# KiCad board BadgeClassBase.kicad_pcb (continued)
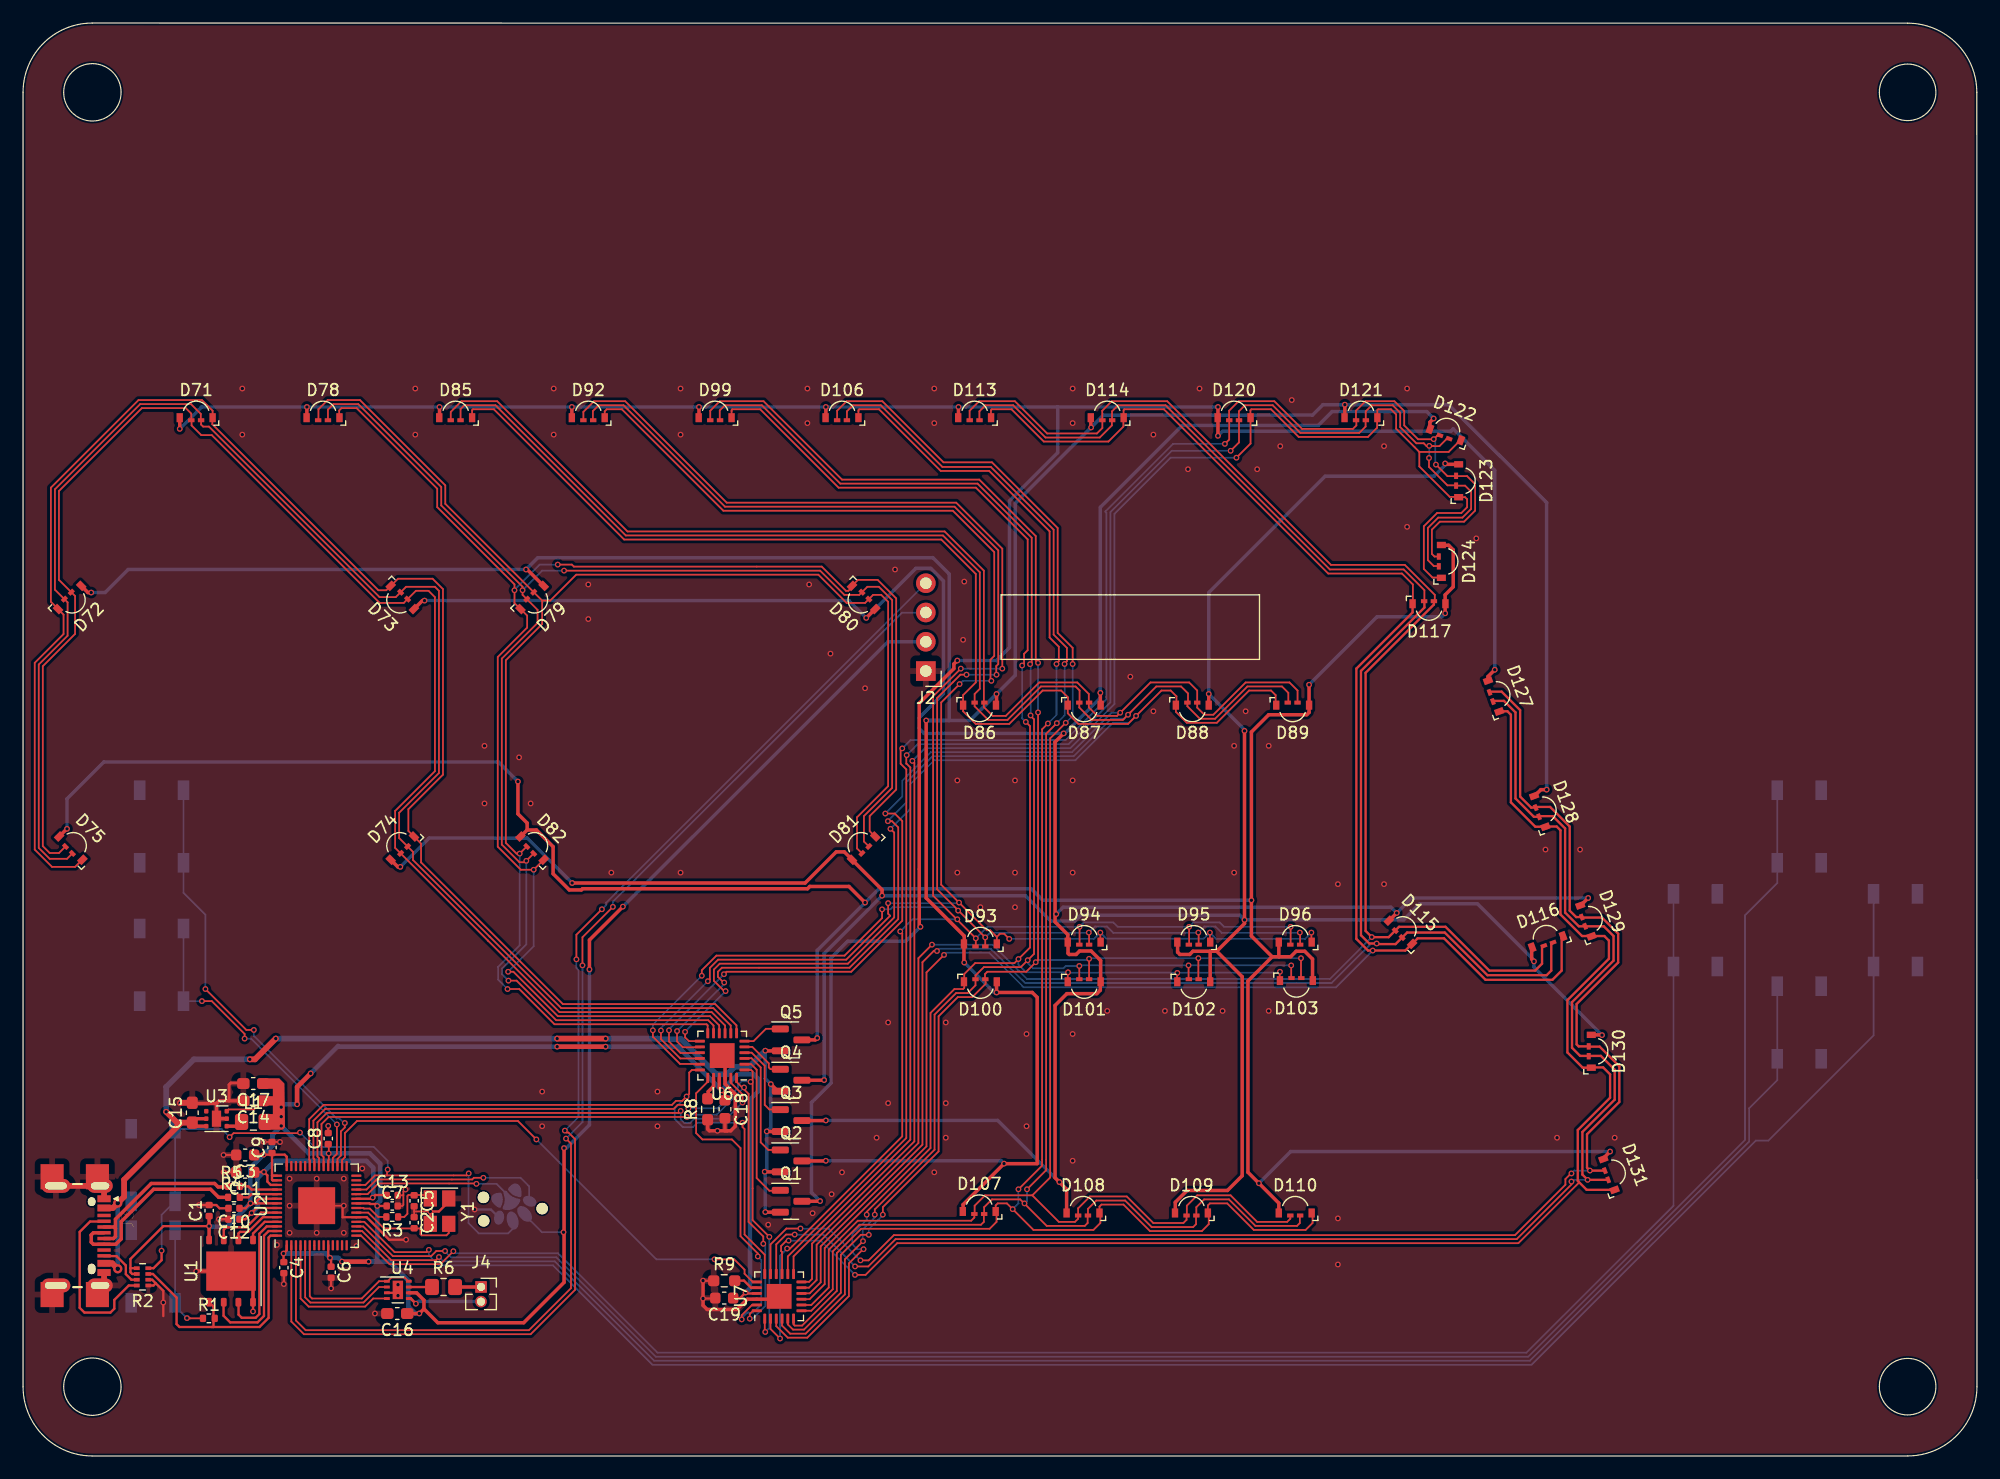
[diagram p0: board, top side]
## Routing (per net, layer and track width the routed paths; a pad name or vN(x,y) marks a point on that pad's centre or on a via; arc(x,y) is an arc through that point)
+1V1: length 26
  Top w0.2: 31.51,22.64 30.54,22.64 v1(30.32,22.41) 30.22,22.31 U2.23 ; U2.50 20.25,21.51 v1(19.82,21.08) 19.28,20.54 C12.1 ; U2.45 21.48,23.51 21.19,23.8 21.19,24.34 v1(20.89,24.64) 20.01,24.64
  Bottom w0.4: v1(19.82,21.08) 20.37,21.63 20.37,22.19 20.32,22.24 20.32,24.07 v1(20.89,24.64) 21.84,25.6 29.77,25.6 30.37,25.01 30.37,22.46 v1(30.32,22.41)
+3.3V: length 256
  Top w0.15: 26.51,26.34 26.51,27.04 ; 26.51,26.34 26.51,26.25 v1(26.5,26.25) ; 26.51,26.34 26.51,25.7 26.46,25.65 U2.33 ; C17.1 21.91,32.31 22.39,31.84 v1(22.39,30.26) v1(22.39,29.44) 22.39,29.33 22.04,28.98 ; 22.04,28.98 L1.2 ; 22.04,28.98 v1(22.39,28.64) ; 21.01,26.14 v1(20.86,26.14) ; 20.8,30.81 20.76,30.81 20.01,30.06 17.81,30.06 U3.6 ; 60.59,31.74 v1(60.57,31.72) ; 22.39,30.86 22.34,30.81 C14.1
  Top w0.2: v1(20.86,26.14) 20.26,26.14 ; R2.5 9.31,16.29 ; 9.31,16.29 9.31,17.09 12.16,19.94 v1(16.13,19.94) ; 9.31,16.29 9.31,15.94 9.46,15.79 R2.6 ; U2.44 21.64,23.91 21.59,23.97 21.59,24.34 ; 21.59,24.34 21.59,26.31 21.41,26.14 21.01,26.14 ; 21.59,24.34 21.61,24.31 U2.43 ; C19.1 62.17,13.7 v1(62.65,14.18) 62.73,14.1 U7.21 ; U2.1 22.86,17.84 v1(22.59,17.56) 22.59,16.76 22.61,16.74 ; 31.56,21.71 31.54,21.69 v1(30.71,21.69) 30.54,21.86 30.09,21.86 30.04,21.91 U2.22 ; U2.49 20.3,21.91 ; 20.3,21.91 20.3,22.15 20.46,22.31 U2.48 ; 20.3,21.91 19.72,21.91 v1(19.72,21.92) 19.29,21.49 18.79,21.49 ; C9.1 21.73,26.14 22.69,26.14 22.86,25.96 U2.42 ; U2.10 26.46,17.34 26.71,17.09 26.71,16.44
  Top w0.3: 34.76,12.76 v1(34.36,12.36) 34.36,12.36 C16.1 ; 34.76,12.76 35.96,11.56 43.41,11.56 46.91,15.06 46.91,19.36 v1(46.86,19.41) 46.91,19.46 v1(46.91,26.71) ; 34.76,12.76 34.76,13.51 34.12,14.16 U4.6 ; v1(52.01,47.66) 49.11,44.76 v1(49.11,42.21) ; U1.8 v1(16.13,19.94) 16.13,20.88 16.14,20.89 ; U6.21 60.37,31.95 60.86,31.46 60.86,30.81
  Top w0.4: v1(46.31,35.51) v1(50.51,35.51) ; v1(24.94,33.19) 23.76,32.01 v1(23.76,30.51) ; v1(29.96,16.86) v1(27.66,16.86)
  Bottom w0.15: v1(46.86,19.41) 45,19.41 43.47,20.94 J1.1
  Bottom w0.3: v1(46.91,26.71) 47.1,26.71 49.11,28.72 v1(49.11,42.21) ; v1(52.01,47.66) 74.99,70.64 J2.2
  Bottom w0.4: v1(62.65,14.18) 63.04,14.56 63.04,30.93 63.74,31.63 63.74,32.73 63.35,33.11 61.96,33.11 v1(60.57,31.72) 56.79,35.51 v1(50.51,35.51) ; v1(22.39,28.64) v1(22.39,30.26) 22.64,30.51 v1(23.76,30.51) ; v1(22.39,28.64) 24.77,26.25 v1(26.5,26.25) 30.07,26.25 30.97,25.36 30.97,22.14 30.71,21.89 v1(30.71,21.69) 30.71,16.91 30.66,16.86 v1(29.96,16.86) 31.76,16.86 33.41,15.21 33.41,12.94 33.99,12.36 v1(34.36,12.36) ; v1(22.39,28.64) 21.63,27.88 21.63,26.91 v1(20.86,26.14) 19.72,25 v1(19.72,21.92) 17.69,19.89 16.18,19.89 v1(16.13,19.94) ; v1(22.59,17.56) 26.24,17.56 v1(26.61,17.19) 27.33,17.19 v1(27.66,16.86) ; v1(46.31,35.51) 27.36,35.51 27.31,35.56 v1(24.94,33.19)
GND: length 82.4
  Top w0.15: C7.2 32.89,21.69 32.98,21.78 32.98,22.64 ; v1(35.31,21.21) 33.94,21.21 33.91,21.24 ; v1(33.16,23.11) 32.98,22.93 32.98,22.64 ; 32.98,22.64 32.95,22.61 C13.2 ; 33.91,21.24 C5.2 ; 33.91,21.24 C2.1 ; 25.41,21.74 25.44,21.71 v1(27.81,21.71) 27.71,21.71 ; v1(20.88,27.24) C9.2 22.03,27.24 v1(22.28,27.24)
  Top w0.2: R2.1 11.31,14.79 11.5,14.98 ; 35.34,21.21 36.06,21.21 36.91,22.06 Y1.4 ; 35.34,21.21 v1(35.31,21.21) ; 35.34,21.21 35.31,21.18 Y1.2 ; v1(19.94,12.54) U1.4 ; C12.2 v1(16.99,20.54) ; C6.2 v1(26.71,14.54) ; U4.3 32.31,14.16 32.46,14.31 32.46,14.36 ; 11.5,14.98 11.19,15.29 R2.2 ; 11.5,14.98 12.16,14.32 v1(12.16,13.31) 12.16,12.14 ; C11.2 v1(17.39,24.61) ; v1(33.21,18.76) 31.74,18.76 29.79,20.71 U2.19 27.71,20.71 27.71,21.71 ; C4.2 v1(22.61,14.91) ; R9.1 58.97,15.2 v1(58.96,15.21) ; C8.2 v1(26.46,28.64) ; C10.2 17.04,21.49 16.76,21.77 C1.2 15.27,21.77 v1(15.26,21.76) ; v1(58.96,13.66) 60.01,13.66 ; C3.2 v1(17.39,26.11)
  Top w0.25: 17.86,30.81 17.86,32.21 18.01,32.36 19.16,32.36 19.16,32.31 ; 7.02,15.15 6.71,14.84 6.71,14.74 ; 7.02,23.13 6.71,23.44
  Top w0.3: U1.4 19.94,14.98 18.91,16.01 ; 14.67,30.68 14.77,30.58 16.77,30.58 ; 16.77,30.58 17,30.81 18.94,30.81 19.07,30.68 ; 16.77,30.58 U3.7 ; R8.1 59.36,28.36 59.51,28.21 61.06,28.21 ; 60.61,34.86 60.87,34.6 U6.22 60.87,32.28 61.76,31.39 61.76,28.61 61.36,28.21 61.06,28.21 ; 60.86,29.26 60.86,28.21 61.06,28.21 ; v1(58.96,15.21) 58.96,13.06 59.31,12.71 61.91,12.71 62.8,13.6 U7.22 65.3,13.6 65.61,13.91 ; U1.9 15.04,16.04 v1(15.01,16.01) ; 16.77,29.28 16.79,29.26 U3.5
  Top w0.5: J3.A1 7.02,23.13 ; J3.S1 6.61,23.43 6.61,23.44 ; C15.2 13.64,30.64 v1(13.61,30.61) ; J3.B1 7.02,15.15 ; 6.77,14.79 6.81,14.84
  Bottom w0.2: v1(39.15,21.38) 40.56,21.38 J1.5
  vias: v1(19.01,92.61) v1(19.01,88.61) v1(22.01,18.31) v1(23.11,24.06) v1(23.11,21.71) v1(23.11,19.36) v1(25.46,24.06) v1(25.46,19.36) v1(27.81,24.06) v1(27.81,19.36) v1(28.91,18.21) v1(29.41,24.95) v1(30.51,12.36) v1(32.51,14.86) v1(32.51,13.91) v1(34.01,92.61) v1(34.01,88.61) v1(40.01,61.61) v1(40.01,56.61) v1(43.01,60.61) v1(44.01,56.61) v1(45.01,31.61) v1(45.01,28.61) v1(46.01,92.61) v1(46.01,88.61) v1(49.01,75.61) v1(49.01,72.61) v1(51.01,50.61) v1(55.01,31.61) v1(55.01,28.61) v1(57.01,92.61) v1(57.01,88.61) v1(57.01,50.61) v1(60.21,28.21) v1(64.61,20.06) v1(68.01,92.61) v1(68.01,89.61) v1(68.16,75.61) v1(68.46,21.06) v1(70.01,69.61) v1(70.11,22.71) v1(71.01,24.61) v1(73.01,66.61) v1(74.01,27.61) v1(75.01,37.61) v1(75.01,30.61) v1(75.61,76.91) v1(79.01,92.61) v1(79.01,89.61) v1(79.01,24.61) v1(80.01,37.61) v1(80.01,30.61) v1(80.01,27.61) v1(81.01,58.61) v1(81.01,50.61) v1(81.51,70.81) v1(81.61,75.86) v1(83.01,47.61) v1(86.01,58.61) v1(86.01,50.61) v1(86.01,47.61) v1(87.01,36.61) v1(87.01,28.61) v1(91.01,92.61) v1(91.01,89.61) v1(91.01,58.61) v1(91.01,50.61) v1(91.01,36.61) v1(91.01,25.61) v1(94.01,38.61) v1(96.01,67.61) v1(98.01,88.61) v1(98.01,64.61) v1(99.01,38.61) v1(101.01,85.61) v1(102.01,92.61) v1(104.01,38.61) v1(105.01,61.61) v1(105.01,50.61) v1(106.01,64.61) v1(107.01,85.61) v1(108.01,61.61) v1(108.01,38.61) v1(109.01,87.61) v1(110.01,91.61) v1(114.01,49.61) v1(114.01,20.61) v1(114.01,16.61) v1(118.01,87.61) v1(118.01,49.61) v1(120.01,92.61) v1(120.01,80.61) v1(126.01,79.61) v1(132.01,52.61) v1(133.01,27.61) v1(135.01,52.61) v1(138.01,27.61)
VBUS: length 101.6
  Top w0.3: Q5.2 64.37,35.15 v1(64.36,35.16) ; Q4.2 65.45,31.65 v1(64.84,32.26) ; Q1.2 64.37,21.15 v1(64.36,21.16) ; U3.2 15.05,29.26 14.67,28.88 ; U3.3 15.04,28.61 14.77,28.88 ; v1(64.49,28.16) 64.5,28.15 Q3.2 ; Q2.2 64.32,24.65 v1(64.31,24.66)
  Top w0.5: v1(19.66,34.41) 20.11,34.41 v1(21.91,36.21) ; J3.A4 7.79,21.51 v2(8.21,21.94) 8.76,22.49 8.76,23.96 13.72,28.92 ; v2(8.21,16.24) 7.74,16.71 J3.B4 ; v1(12.41,29.86) 13.35,28.92 13.72,28.92 ; v1(46.31,36.21) v1(50.51,36.21) ; 13.72,28.92 C15.1
  Bottom w0.3: v1(64.36,21.16) 64.36,24.61 v1(64.31,24.66) 64.49,24.84 v1(64.49,28.16) 64.84,28.51 v1(64.84,32.26) 64.36,32.74 v1(64.36,35.16)
  Bottom w0.4: v2(8.21,21.94) v2(8.21,16.24)
  Bottom w0.5: v1(50.51,36.21) 55.02,36.21 55.06,36.16 57.06,36.16 60.11,33.11 61.04,33.11 61.69,33.76 62.96,33.76 v1(64.36,35.16) ; v1(21.91,36.21) v1(46.31,36.21) ; v1(12.41,29.86) 12.41,32.01 14.81,34.41 v1(19.66,34.41)
/BOOTSEL: length 9.3
  Top w0.15: v1(14.21,11.96) 14.23,11.94 15.61,11.94
  Bottom w0.15: v1(14.21,11.96) 13.16,13.01 13.16,13.06 ; SW2.2 13.18,13.23 13.16,13.21
/CC1: length 15.7
  Top w0.2: 7.01,20.34 5.81,20.34 4.91,19.44 4.91,12.85 5.32,12.44 7.57,12.44 7.91,12.78 7.91,13.54 9.16,14.79 9.91,14.79
/CC2: length 4.1
  Top w0.2: R2.7 9.39,15.29 8.91,15.77 8.91,16.53 8.1,17.34 7.01,17.34
/DM: length 3.4
  Top w0.2: U2.46 19.81,23.11 19.54,23.39 18.79,23.39
/DP: length 3.4
  Top w0.2: U2.47 19.81,22.71 19.54,22.44 18.79,22.44
/QSPI_D0: length 3.1
  Top w0.2: U1.5 19.94,19.29 20.96,20.31 22.09,20.31
/QSPI_D1: length 13.4
  Top w0.2: 17.39,13.34 17.39,12.16 17.96,11.59 20.33,11.59 20.89,12.15 20.89,19.11 21.29,19.51 U2.55
/QSPI_D2: length 11.9
  Top w0.2: 18.69,13.34 18.69,12.26 18.96,11.99 20.17,11.99 20.49,12.31 20.49,19.28 21.13,19.91 U2.54
/QSPI_D3: length 6.1
  Top w0.2: U1.7 17.4,19.63 17.61,19.84 19.35,19.84 20.63,21.11 22.04,21.11
/QSPI_SCLK: length 4.6
  Top w0.2: U1.6 18.67,19.3 18.81,19.44 19.52,19.44 20.79,20.71 22.09,20.71
/RP2040_SWCLK: length 13.7
  Top w0.15: 28.86,22.69 28.89,22.71 29.87,22.71 30.8,23.64 39.28,23.64 v1(39.31,23.61)
  Bottom w0.15: v1(39.31,23.61) 41.06,23.61 J1.4
/RP2040_SWDIO: length 16.9
  Top w0.15: v1(39.91,24.14) 39.09,24.14 38.95,23.99 30.65,23.99 29.78,23.11 U2.25
  Bottom w0.15: v1(39.91,24.14) 43.14,24.14 43.88,23.4 43.88,22.16
/XIN: length 10
  Top w0.15: U2.20 29.92,21.11 31.3,19.74 34.41,19.74 34.46,19.69 34.46,19.24 34.56,19.14 36.71,19.14 36.91,19.34 Y1.3
/XOUT: length 2.9
  Top w0.15: U2.21 29.51,21.51 29.56,21.46 30.07,21.46 30.79,20.74 31.51,20.74
/~{QSPI_CS}: length 24.3
  Top w0.2: 16.31,11.19 16.51,11.19 16.51,12.96 16.14,13.34 ; U2.56 21.46,19.11 21.29,18.95 21.29,11.98 20.5,11.19 13.56,11.19 13.31,11.44 13.31,13.74 11.26,15.79 10.84,15.79
/~{RESET}: length 54.2
  Top w0.15: 31.56,24.34 31.56,24.79 v1(31.62,24.85) ; 31.56,24.34 38.47,24.34 v1(38.64,24.51) ; 31.56,24.34 30.51,24.34 29.68,23.51 28.84,23.51 ; v1(24.01,28.06) 23.96,28.01 18.26,28.01 v1(17.91,27.66)
  Top w0.2: 10.84,16.29 11.31,16.29 12.01,16.99 v1(12.01,17.81)
  Bottom w0.15: v1(24.01,28.06) 25.26,26.81 30.41,26.81 31.62,25.61 v1(31.62,24.85) ; v1(38.64,24.51) 38.63,24.5 38.63,20.2 39.51,19.31 42.06,19.31 42.45,19.7 42.45,20.43 ; v1(17.91,27.66) 17.21,28.36 13.18,28.36 SW1.2 12.01,20.92 v1(12.01,17.81)
B_DOWN: length 148
  Top w0.15: U2.16 29.4,19.51 31.92,16.99 35.79,16.99 v1(36.07,17.26)
  Bottom w0.15: v1(36.07,17.26) 36.44,16.89 46.1,16.89 54.72,8.26 130.65,8.26 149.66,27.27 149.66,30.16 152.11,32.61 SW4.1
B_ENTER: length 39.3
  Top w0.15: 27.26,25.16 27.26,25.77 27.56,26.07 27.56,28.16 27.9,28.5 v1(27.9,28.89) ; v1(15.81,40.51) 19.36,36.96 v1(20.01,36.96)
  Bottom w0.15: v1(15.81,40.51) 15.81,46.96 13.91,48.86 SW7.1 ; v1(27.9,28.89) 27.74,28.89 27.74,28.98 27.43,29.29 27.18,29.29 20.01,36.46 v1(20.01,36.96) ; 13.96,51.51 13.91,51.56 SW7.1
B_ESC: length 28
  Top w0.15: v1(27.21,28.76) 27.21,26.21 26.86,25.86 U2.32 ; v1(15.51,39.46) 16.37,39.46 19.21,36.62 v1(19.21,36.21)
  Bottom w0.15: v1(27.21,28.76) 19.76,36.21 v1(19.21,36.21) ; v1(15.51,39.46) SW8.1 SW8.1
B_LEFT: length 151.7
  Top w0.15: U2.15 29.3,19.11 31.78,16.64 36.19,16.64 v1(37.31,17.76)
  Bottom w0.15: v1(37.31,17.76) 37.49,17.59 46.39,17.59 55.01,8.96 130.36,8.96 143.11,21.71 SW6.1
B_RIGHT: length 161.3
  Top w0.15: U2.18 29.59,20.31 32.21,17.69 34.99,17.69 v1(35.19,17.88)
  Bottom w0.15: SW5.1 160.46,36.49 151.34,27.36 150.25,27.36 130.8,7.91 54.58,7.91 45.95,16.54 36.04,16.54 35.19,17.39 v1(35.19,17.88)
B_UP: length 164.8
  Top w0.15: v1(36.59,17.78) 35.83,17.78 35.39,17.34 32.07,17.34 29.49,19.91 28.91,19.91
  Bottom w0.15: SW3.1 152.11,49.71 149.31,46.91 149.31,27.42 130.51,8.61 54.87,8.61 46.24,17.24 37.09,17.24 36.59,17.74 v1(36.59,17.78)
D+: length 16.9
  Top w0.3: 7.01,19.36 6.1,19.36 5.91,19.18 5.91,18.55 6.1,18.36 J3.B6 8.04,18.36 8.51,18.83 8.51,20.33 11.32,23.14 16.26,23.14 16.96,22.44 17.74,22.44
D-: length 14.8
  Top w0.3: 8.01,19.74 8.01,19.04 7.84,18.86 J3.A7 ; 8.01,19.74 7.89,19.86 7.01,19.86 ; 8.01,19.74 8.01,20.54 11.11,23.64 16.61,23.64 16.91,23.34 17.84,23.34
DISP_SCK: length 105.2
  Top w0.15: v1(51.14,47.64) 48.51,45 v1(48.51,42.56) ; U2.3 23.66,11.76 24.51,10.91 43.87,10.91 47.51,14.56 47.51,27.1 v1(47.08,27.53)
  Bottom w0.15: v1(51.14,47.64) 51.14,48.09 76.22,73.16 78.36,73.16 ; v1(47.08,27.53) 48.51,28.97 48.51,42.56 v1(48.51,42.56) 48.51,42.57
DISP_SDA: length 108.1
  Top w0.15: v1(46.98,28.23) 47.15,28.06 47.29,28.06 47.86,27.49 47.86,14.41 44.01,10.56 24.36,10.56 23.26,11.66 U2.2 ; v1(47.98,43.08) 47.98,45.22 v1(50.19,47.43)
  Bottom w0.15: v1(50.19,47.43) 50.56,47.8 50.56,48 J2.4 ; v1(47.98,43.08) 47.98,42.35 48.16,42.17 48.16,29.41 v1(46.98,28.23)
LED_BLANK: length 63.5
  Top w0.15: U2.37 24.86,25.65 24.81,25.7 24.81,29.22 26.06,30.46 56.27,30.46 56.62,30.81 57.16,30.81 57.76,31.41 57.76,33.26 57.99,33.49 U6.18 ; 64.31,15.71 64.31,17.46 62.56,19.21 62.56,28.36 62.39,28.54 v1(62.39,28.91)
  Bottom w0.15: v1(62.39,28.91) 58.46,28.91 58.09,28.54 57.2,28.54 56.5,29.24 56.5,30.15 57.53,31.19 v1(57.54,31.19)
LED_CLK: length 65.5
  Top w0.15: v1(64.19,18.41) 64.19,19.04 62.91,20.32 62.91,31.41 61.87,32.45 U6.24 ; v1(57.56,29.41) 26.49,29.41 25.88,28.8 25.88,26.12 26.06,25.93 U2.34 ; 63.66,12.61 63.31,12.61 63.01,12.31 v1(63.01,11.91)
  Bottom w0.15: v1(64.19,18.41) 64.36,18.24 64.36,13.01 63.26,11.91 v1(63.01,11.91) ; v1(57.56,29.41) 57.76,29.61 60.16,29.61 v1(62.52,31.97)
LED_DATA: length 45.3
  Top w0.15: v1(57.02,29.94) 56.85,29.76 26.34,29.76 25.53,28.94 25.53,25.97 25.66,25.84 U2.35 ; U6.23 61.37,32.38 62.39,31.36 v1(62.39,30.66)
  Bottom w0.15: v1(57.02,29.94) 57.02,29.21 57.34,28.89 57.84,28.89 58.21,29.26 60.99,29.26 v1(62.39,30.66)
LED_DATA_RET: length 45.1
  Top w0.15: U7.19 63.27,15.1 62.56,15.81 62.56,16.16 61.66,17.06 v1(59.96,17.06) ; v1(44.51,27.46) 42.91,29.06 28.96,29.06 27.91,28.02 27.91,25.92 27.66,25.67 27.66,25.11
  Bottom w0.15: v1(59.96,17.06) 54.91,17.06 v1(44.51,27.46)
LED_LATCH: length 69
  Top w0.15: U7.1 64.31,10.8 v1(64.35,10.76) ; U2.36 25.26,25.74 25.18,25.83 25.18,29.09 26.2,30.11 56.41,30.11 56.76,30.46 57.38,30.46 v1(57.69,30.15) ; v1(64.71,19.01) 63.26,20.46 63.26,33.36 63.13,33.49 U6.1
  Bottom w0.15: v1(57.69,30.15) 60.21,30.15 62,31.94 62,32.19 62.3,32.5 63.05,32.5 v1(63.09,32.46) ; v1(64.35,10.76) 64.71,11.11 v1(64.71,19.01)
SPKR+: length 12.7
  Top w0.15: 31.56,13.66 30.36,13.66 29.66,12.96 24.77,12.96 24.06,13.67 U2.4
SPKR-: length 12.4
  Top w0.15: 24.46,18.31 24.46,13.76 24.91,13.31 29.52,13.31 30.86,14.66 U4.2
SPKR_EN: length 13.9
  Top w0.15: U2.6 24.86,13.86 25.06,13.66 29.37,13.66 30.87,15.16 31.51,15.16 ; 31.61,15.16 31.93,15.48 33.09,15.48 33.42,15.16 U4.8
Net-(C5-Pad1): length 4.6
  Top w0.15: 32.51,20.74 33.06,20.74 33.33,21 33.33,22.55 33.41,22.64 35.01,22.64 Y1.1
Net-(D71-BK): length 137.7
  Top w0.15: D72.3 4.51,74.61 4.51,71.32 1.71,68.52 1.71,52.91 2.31,52.31 3.11,52.31 3.71,52.91 ; 14.61,89.81 14.61,89.41 15.46,88.57 16.37,88.57 30.92,74.01 33.01,74.01 34.06,75.06 35.16,75.06 35.71,74.51 35.71,59.41 32.26,55.96 32.26,52.76 D74.3 40.31,44.71 40.31,44.71 46.52,38.51 59.71,38.51 60.87,37.35 U6.9 ; 4.21,74.91 3.11,76.01 3.11,83.72 10.3,90.91 14.11,90.91 14.59,90.44 D71.3
Net-(D71-GK): length 139.8
  Top w0.15: 61.36,36.66 61.36,37.35 59.86,38.86 46.66,38.86 40.46,45.06 33.81,51.7 33.81,52.41 D74.2 ; D71.2 15.44,89.49 15.61,89.31 16.12,89.31 30.92,74.51 32.31,74.51 33.21,75.41 35.71,75.41 36.06,75.06 36.06,59.26 32.61,55.81 32.61,53.61 33.31,52.91 ; D72.2 2.76,75.16 2.76,83.87 10.16,91.26 14.56,91.26 15.41,90.41 15.41,89.91 ; 3.61,74.31 3.86,74.06 3.86,71.17 1.36,68.67 1.36,52.76 2.31,51.81 3.81,51.81 D75.2
Net-(D71-RK): length 142.7
  Top w0.15: D73.1 31.5,75.11 30.81,75.11 16.41,89.51 16.41,90.11 ; D72.1 3.51,73 3.51,71.31 1.01,68.81 1.01,52.61 2.51,51.11 4.51,51.11 5.11,51.71 ; 61.91,36.61 61.86,36.66 61.86,37.36 60.02,39.21 46.81,39.21 34.51,51.5 34.51,51.5 34.51,53.13 D74.1 33.41,54.23 33.41,56.11 36.41,59.11 36.41,75.21 35.51,76.11 32.51,76.11 31.91,75.51 ; 3.01,73.51 2.41,74.11 2.41,84.01 10.01,91.61 15.51,91.61 16.44,90.69 D71.1
Net-(D78-BK): length 141.4
  Top w0.15: 45.01,74.21 45.71,74.21 47.96,76.46 68.96,76.46 71.41,74.01 73.01,74.01 D80.3 73.71,74.71 74.41,74.71 75.01,74.11 75.01,58.11 72.31,55.41 72.31,52.71 72.71,52.31 ; 45.01,74.21 44.31,74.91 ; 45.01,74.21 45.01,72.18 41.86,69.03 41.86,53.19 42.79,52.26 v1(43.06,52.26) D82.3 ; 25.61,89.91 25.61,90.81 26.41,91.61 29.21,91.61 36.61,84.21 36.61,82.61 D79.3 ; 59.36,36.61 59.36,37.36 59.27,37.46 46.08,37.46 43.03,40.51 v1(42.01,40.51)
  Bottom w0.15: v1(42.01,40.51) 41.19,41.34 41.19,42.43 43.06,44.3 v1(43.06,52.26)
Net-(D78-GK): length 142.1
  Top w0.15: v1(42.09,41.24) 42.79,41.24 46.23,37.81 59.41,37.81 59.87,37.35 U6.11 ; D80.2 72.51,74.71 71.21,74.71 69.11,76.81 v1(46.91,76.81) 46.81,76.71 ; 43.71,74.31 44.61,73.41 44.61,72.28 41.51,69.18 41.51,53.04 43.04,51.51 43.51,51.51 v1(43.64,51.63) D82.2 ; D78.2 26.44,90.79 26.91,91.26 29.07,91.26 36.26,84.06 36.26,82.47 43.31,75.42 v1(43.31,75.11) 43.31,74.71 D79.2 ; 72.71,74.91 73.21,75.41 74.21,75.41 75.36,74.26 75.36,57.97 72.91,55.52 72.91,53.31 D81.2
  Bottom w0.15: v1(43.31,75.11) 45.01,76.81 v1(46.91,76.81) ; v1(43.64,51.63) 43.64,44.39 41.54,42.29 41.54,41.79 v1(42.09,41.24)
Net-(D78-RK): length 141.3
  Top w0.15: 43.11,73.51 43.71,72.91 43.71,71.87 41.16,69.32 41.16,52.86 43.16,50.86 v1(44.28,50.86) D82.1 ; 73.91,53.71 73.41,54.21 73.41,55.52 75.71,57.82 75.71,74.4 74.1,76.01 72.4,76.01 D80.1 71.88,75.38 71.56,75.06 71.36,75.06 69.26,77.16 47.76,77.16 47.59,77.34 v1(46.36,77.34) ; D79.1 42.61,74 v1(42.61,75.11) 42.61,75.62 35.91,82.32 35.91,83.92 28.92,90.91 27.61,90.91 27.41,90.71 27.41,90.11 ; 60.36,36.61 60.36,37.36 59.57,38.16 46.37,38.16 42.52,42.01 v1(42.06,42.01)
  Bottom w0.15: v1(44.28,50.86) 44.28,44.23 v1(42.06,42.01) ; v1(46.36,77.34) 44.79,77.34 42.61,75.15 v1(42.61,75.11)
Net-(D85-BK): length 165.1
  Top w0.15: v1(56.01,36.93) 56.01,35.96 57.01,34.96 58.71,34.96 ; D85.3 37.09,90.59 38.01,91.51 41.11,91.51 52.41,80.21 79.91,80.21 83.31,76.81 83.31,64.98 84.08,64.21 85.21,64.21 88.11,67.11 91.41,67.11 92.41,66.11 92.41,64.95 93.15,64.21 94.86,64.21 v1(95.14,64.49) 97.76,67.11 101.11,67.11 101.81,66.41 101.81,64.93 102.43,64.31 103.21,64.31 106.01,67.11 109.81,67.11 110.51,66.41 110.51,65.31 ; v1(60.78,41.8) 60.99,42.01 71.81,42.01 76.24,46.44 76.24,55.09 75.58,55.74 v1(74.77,55.74)
  Bottom w0.15: v1(56.01,36.93) 56.01,37.03 v1(60.78,41.8) ; v1(74.77,55.74) 76.24,57.21 76.24,58.59 78.71,61.06 90.96,61.06 94.38,64.49 v1(95.14,64.49)
Net-(D85-GK): length 163
  Top w0.15: D85.2 37.94,90.84 38.26,91.16 40.97,91.16 52.27,79.86 79.77,79.86 82.96,76.67 82.96,66.56 82.51,66.11 82.51,65.31 ; 100.91,65.41 101.01,65.51 101.01,66.16 100.41,66.76 98.26,66.76 96.01,64.51 ; v1(74.99,55.07) 75.35,55.07 75.89,54.54 75.89,46.58 71.67,42.36 60.6,42.36 60.25,42.01 60.25,41.57 60.75,41.07 v1(60.8,41.07) ; v1(56.71,36.86) 56.71,35.96 57.21,35.46 58.76,35.46 ; D87.2 91.59,64.94 92.66,63.86 95.36,63.86 96.01,64.51 ; 91.61,65.41 91.61,66.42 91.27,66.76 88.26,66.76 85.36,63.86 83.69,63.86 82.51,65.04 D86.2 ; 109.71,65.41 109.71,66.21 109.16,66.76 106.16,66.76 103.36,63.96 102.04,63.96 100.96,65.04 D88.2 ; 96.01,64.51 95.81,64.31 v1(95.81,64.31)
  Bottom w0.15: v1(95.81,64.31) 95.46,63.96 94.36,63.96 94.36,63.97 91.1,60.71 78.86,60.71 76.59,58.44 76.59,56.69 74.99,55.1 v1(74.99,55.07) ; v1(56.71,36.86) 60.8,40.95 v1(60.8,41.07)
Net-(D85-RK): length 160.1
  Top w0.15: v1(57.4,36.8) 57.4,36.32 57.73,35.99 U6.13 ; 108.61,65.11 108.61,66.01 108.21,66.41 106.31,66.41 103.51,63.61 100.91,63.61 99.96,64.56 D88.1 ; 90.61,65.11 90.61,65.81 90.01,66.41 88.41,66.41 85.51,63.51 82.61,63.51 81.51,64.61 81.51,66.01 82.61,67.11 82.61,76.52 79.62,79.51 52.12,79.51 40.82,90.81 39.01,90.81 38.94,90.74 D85.1 ; 100.01,65.11 100.01,65.91 99.51,66.41 98.71,66.41 95.81,63.51 91.51,63.51 90.59,64.44 D87.1 ; v1(75.21,54.41) 75.54,54.09 75.54,46.73 71.52,42.71 60.41,42.71 59.9,42.2 59.9,41.23 60.8,40.33 v1(60.92,40.33)
  Bottom w0.15: v1(96.51,64.21) 95.91,63.61 94.5,63.61 91.25,60.36 79,60.36 76.94,58.3 76.94,56.14 v1(75.21,54.41) ; v1(57.4,36.8) 57.4,36.82 v1(60.92,40.33)
Net-(D92-BK): length 163.6
  Top w0.15: 80.99,46.54 v1(81.01,46.56) ; 80.99,46.54 78.91,48.61 78.91,65.91 v1(81.31,68.31) ; 80.99,46.54 v1(82.61,44.91) 82.61,44.21 ; v1(76.06,45.51) 76.24,45.34 76.24,27.73 66.5,17.99 v1(66.25,17.99) ; D92.3 48.59,90.59 49.51,91.51 52.21,91.51 61.01,82.71 80.91,82.71 84.91,78.71 v1(84.91,68.31) ; v1(65.64,10.19) 64.81,11.02 U7.2 ; v1(101.11,45.91) 101.11,44.41 ; v1(91.61,45.91) 91.61,44.41 ; v1(109.91,45.91) 109.91,44.41
  Bottom w0.15: v1(66.25,17.99) 65.64,17.38 v1(65.64,10.19) ; v1(82.61,44.91) 83.61,45.91 v1(91.61,45.91) 91.99,46.29 94.54,46.29 94.91,45.91 v1(101.11,45.91) 101.49,46.29 103.76,46.29 104.14,45.91 v1(109.91,45.91) ; v1(76.06,45.51) 77.11,46.56 v1(81.01,46.56) ; v1(84.91,68.31) v1(81.31,68.31)
Net-(D92-GK): length 150.8
  Top w0.15: v1(81.08,47.31) 81.08,47.33 81.09,47.34 ; 110.74,44.36 110.74,45.39 v1(110.71,45.41) ; v1(101.91,45.41) 101.94,45.39 D95.2 ; v1(54.61,36.93) 54.61,36.37 56.97,34.01 58.76,34.01 ; v1(81.81,67.79) 81.28,67.79 79.26,65.77 79.26,49.16 81.09,47.34 ; v1(92.41,45.41) 92.44,45.39 D94.2 ; v1(84.41,67.79) 84.39,67.81 84.39,68.53 84.56,68.7 84.56,78.57 80.77,82.36 60.87,82.36 52.07,91.16 49.91,91.16 49.41,90.66 49.41,89.91 ; v1(74.49,47.42) 74.49,46.67 71.23,43.41 60.12,43.41 58.85,42.14 v1(58.85,41.66) ; 81.09,47.34 v1(83.43,44.99) 83.43,44.23 83.41,44.21
  Bottom w0.15: v1(83.43,44.99) 83.83,45.39 92.39,45.39 v1(92.41,45.41) 92.94,45.94 93.99,45.94 94.54,45.39 101.89,45.39 v1(101.91,45.41) 102.44,45.94 103.39,45.94 103.94,45.39 110.69,45.39 v1(110.71,45.41) ; v1(81.81,67.79) v1(84.41,67.79) ; v1(58.85,41.66) 54.61,37.42 v1(54.61,36.93) ; v1(74.49,47.42) 75.22,47.42 75.4,47.61 80.79,47.61 v1(81.08,47.31)
Net-(D92-RK): length 147.1
  Top w0.15: v1(81.2,66.97) 79.61,65.37 79.61,49.56 83.56,45.61 83.86,45.61 84.44,45.04 ; v1(75.01,47.96) 75.01,47.05 75.19,46.87 71.38,43.06 60.27,43.06 59.55,42.35 59.55,41.36 v1(59.38,41.19) ; U6.16 56.99,34.49 55.31,36.17 v1(55.31,36.91) ; D93.1 84.44,45.04 ; 84.44,45.04 84.71,45.31 85.06,45.31 v1(85.51,44.86) ; D92.1 50.44,90.64 50.61,90.81 51.92,90.81 60.72,82.01 80.62,82.01 84.21,78.42 84.21,69.41 83.89,69.09 83.89,67.32 v1(83.96,67.25) ; v1(102.91,45.41) 102.91,44.61 ; v1(93.41,45.41) 93.41,44.61 ; v1(111.71,45.41) 111.71,44.61
  Bottom w0.15: v1(83.96,67.25) 81.49,67.25 v1(81.2,66.97) ; v1(55.31,36.91) 55.31,37.12 v1(59.38,41.19) ; v1(75.01,47.96) 81.11,47.96 v1(81.16,48.01) ; v1(111.71,45.41) 111.16,44.86 103.46,44.86 v1(102.91,45.41) 102.39,44.89 93.94,44.89 v1(93.41,45.41) 92.86,44.86 v1(85.51,44.86)
Net-(D100-A): length 272.4
  Top w0.3: v1(92.61,89.24) 92.59,89.26 D114.4 ; 81.51,21.11 81.51,21.81 v1(85.06,25.36) 87.94,25.36 87.94,39.79 87.51,40.21 v1(84.41,40.21) 84.41,41.11 ; v1(5.91,74.91) 5.63,74.91 D72.4 ; v1(114.61,91.21) 114.61,90.01 ; Q2.3 69.6,25.6 v1(69.61,25.61) ; v1(84.41,66.11) 84.41,65.11 ; 45.11,75.51 43.71,76.91 v1(43.61,76.91) ; 131.01,57.21 131.61,57.81 v1(132.11,57.81) ; v1(78.31,63.81) 78.31,48.41 81.61,45.11 81.61,44.41 ; v1(81.61,42.81) 81.59,42.84 D93.4
  Bottom w0.3: v1(69.61,25.61) 84.81,25.61 v1(85.06,25.36) ; v1(81.61,42.81) 84.21,40.21 v1(84.41,40.21) ; v1(5.91,74.91) 7.11,74.91 9.11,76.91 v1(43.61,76.91) 44.64,77.94 78.89,77.94 80.31,76.51 80.31,63.81 v1(78.31,63.81) 82.11,63.81 v1(84.41,66.11) 86.03,67.73 86.03,82.65 v1(92.61,89.24) 93.69,90.31 111.81,90.31 112.71,91.21 v1(114.61,91.21) 123.61,91.21 132.11,82.71 v1(132.11,57.81)
Net-(D100-BK): length 145.4
  Top w0.15: v1(110.81,43.19) 110.81,41.41 ; v1(92.44,43.14) D101.3 ; v1(73.34,19.19) 72.64,19.19 70.91,17.46 70.91,14.16 67.71,10.96 66.77,10.96 66.31,11.42 U7.5 ; v1(88.01,64.51) 88.01,43.04 v1(87.81,42.84) 86.99,42.01 83.61,42.01 83.41,41.81 83.41,41.41 ; 83.46,41.31 83.46,40.96 82.31,39.81 81.05,39.81 79.39,38.15 79.39,26.43 74.55,21.59 v1(74.55,20.94) ; v1(101.91,43.19) 101.91,41.31 ; v1(88.01,68.81) 87.81,69.01 87.81,79.81 82.91,84.71 71.01,84.71 64.21,91.51 60.41,91.51 59.59,90.69 D99.3
  Bottom w0.15: v1(74.55,20.94) 74.38,20.76 74.38,20.72 73.34,19.68 v1(73.34,19.19) ; 110.71,43.09 v1(110.81,43.19) 92.49,43.19 v1(92.44,43.14) 92.34,43.04 88.01,43.04 v1(87.81,42.84) ; v1(88.01,68.81) v1(88.01,64.51)
Net-(D100-GK): length 142.7
  Top w0.15: v1(109.96,42.56) 109.96,41.41 ; v1(87.32,68.7) 87.46,68.84 87.46,79.67 82.77,84.36 70.86,84.36 64.06,91.16 60.86,91.16 60.41,90.72 60.41,89.91 ; v1(73.85,20.94) 73.85,21.39 79.04,26.57 79.04,38.29 80.91,40.16 81.91,40.16 82.59,40.84 D100.2 82.59,41.69 83.31,42.41 86.51,42.41 v1(87.11,43.01) 87.66,43.56 87.66,63.91 87.36,64.21 v1(87.36,64.25) ; v1(101.06,42.56) 101.06,41.31 ; v1(91.59,42.51) D101.2 ; U7.4 65.81,11.31 66.51,10.61 67.86,10.61 71.26,14.02 71.26,17.06 72.83,18.63 v1(72.83,18.64)
  Bottom w0.15: v1(87.36,64.25) 87.36,68.65 v1(87.32,68.7) ; 109.94,42.54 v1(109.96,42.56) 91.64,42.56 v1(91.59,42.51) 90.42,42.51 90.22,42.31 87.56,42.31 87.11,42.76 v1(87.11,43.01) ; v1(72.83,18.64) 72.81,18.66 72.81,19.65 73.85,20.69 v1(73.85,20.94)
Net-(D100-RK): length 142.1
  Top w0.15: v1(73.15,20.93) 73.15,21.18 78.69,26.72 78.69,38.44 80.76,40.51 81.51,40.51 81.61,40.61 81.61,41.16 ; D99.1 61.44,90.74 61.51,90.81 63.92,90.81 70.72,84.01 82.62,84.01 87.11,79.52 87.11,69.91 86.8,69.6 86.8,68.75 v1(86.63,68.58) ; v1(86.95,63.69) 87.31,63.32 87.31,44.11 v1(86.31,43.11) 85.96,42.76 82.56,42.76 81.61,41.81 81.61,41.11 ; v1(72.88,17.94) 72.84,17.94 71.61,16.71 71.61,13.87 68,10.26 66.31,10.26 65.31,11.26 U7.3 ; v1(90.61,41.96) 90.59,41.94 D101.1 ; v1(108.99,42.01) 108.96,41.99 108.96,41.19 ; 100.06,41.09 100.06,41.89 v1(100.09,41.91)
  Bottom w0.15: v1(73.15,20.93) 73.15,20.48 71.91,19.24 71.91,18.36 72.33,17.94 v1(72.88,17.94) ; v1(86.31,43.11) 86.31,42.61 86.96,41.96 v1(90.61,41.96) 90.64,41.94 108.91,41.94 v1(108.99,42.01) ; v1(86.63,68.58) 86.63,64 v1(86.95,63.69)
Net-(D101-A): length 254.6
  Top w0.3: v1(90.23,62.69) 89.49,61.94 89.49,46.34 90.59,45.24 D94.4 ; v1(34.81,74.21) 34.63,74.21 D73.4 ; 93.41,41.21 93.41,40.41 93.11,40.11 90.51,40.11 89.49,39.09 89.49,24.14 v1(89.86,23.76) 90.49,23.14 D108.4 ; v1(119.11,47.11) 118.41,46.41 ; D129.4 135.07,47.77 v1(135.71,48.41) ; Q3.3 69.6,29.1 v1(69.61,29.11) ; v1(73.11,72.71) 73.91,73.51 ; v1(122.31,90.01) 121.99,89.69 D122.4 ; 90.61,44.51 90.61,43.61 90.71,43.51 91.31,43.51 91.61,43.81 92.61,43.81 93.44,42.99 D101.4 ; v1(93.41,66.21) 93.41,65.11
  Bottom w0.3: v1(89.59,47.01) 90.19,47.61 118.61,47.61 v1(119.11,47.11) 120.41,48.41 v1(135.71,48.41) ; v1(122.31,90.01) 121.71,90.61 113.51,90.61 112.31,89.41 100.51,89.41 93.41,82.31 v1(93.41,66.21) 93.41,65.76 90.34,62.69 v1(90.23,62.69) 78.13,62.69 77.71,63.11 77.71,64.06 79.81,66.16 79.81,75.91 78.71,77.01 77.41,77.01 v1(73.11,72.71) 71.61,74.21 v1(34.81,74.21) ; v1(69.61,29.11) 84.51,29.11 v1(89.86,23.76)
Net-(D102-A): length 236.2
  Top w0.3: 102.91,43.79 101.44,43.79 101.16,43.51 100.31,43.51 100.11,43.71 100.11,44.51 ; 102.91,43.79 102.94,43.76 D102.4 ; 102.91,43.79 103.51,43.79 ; v1(123.31,86.11) 123.39,86.04 D123.4 ; 103.51,43.79 105.71,41.58 105.71,24.31 104.44,23.04 100.94,23.04 99.91,22.01 99.91,21.01 ; 103.51,43.79 105.91,46.19 v1(105.91,62.91) ; Q4.3 69.45,32.6 v1(69.46,32.61) ; v1(131.01,42.91) 130.81,43.11 130.81,44.01 130.91,44.11 ; 71.91,51.71 71.21,52.41 70.51,52.41 67.81,49.71 v1(47.61,49.71) ; D130.4 136.89,36.54 v1(136.91,36.51) ; v1(32.71,51.11) 32.5,51.11 D74.4 ; D81.4 74.48,49.12 v1(74.48,48.61) ; v1(102.81,66.11) 102.81,65.11
  Bottom w0.3: v1(123.31,86.11) 123.31,85.96 122.36,85.01 112.91,85.01 102.81,74.91 v1(102.81,66.11) 105.91,63.01 v1(105.91,62.91) ; v1(69.46,32.61) 69.46,43.59 v1(74.48,48.61) 86.91,48.61 89.11,46.41 91.21,46.41 91.71,46.91 105.51,46.91 v1(105.91,46.51) 119.71,46.51 121.11,47.91 126.11,47.91 131.01,43.01 v1(131.01,42.91) 131.01,42.41 v1(136.91,36.51) ; v1(47.61,49.71) 43.71,53.61 35.21,53.61 v1(32.71,51.11)
Net-(D103-A): length 246.5
  Top w0.3: 43.71,54.31 43.71,54.91 42.91,55.71 v1(42.91,58.51) ; 43.71,54.31 44.51,54.31 45.96,52.86 45.96,50.51 47.36,49.11 48.41,49.11 48.51,49.21 68.02,49.21 68.22,49.41 71.61,49.41 v1(73.01,48.01) ; 43.71,54.31 43.11,53.71 ; Q5.3 68.7,36.1 v1(68.86,36.26) ; D75.4 3.8,54.41 v1(3.81,54.41) ; D110.4 108.89,21.94 v1(107.16,23.66) 106.21,24.61 106.21,41.21 108.31,43.31 ; v1(123.31,73.11) 123.31,74.71 124.01,75.41 124.01,78.61 123.61,79.01 123.01,79.01 ; D131.4 137.03,25.83 v1(137.61,26.41) ; 108.91,43.31 109.91,43.31 110.39,43.79 111.14,43.79 111.81,43.11 111.81,41.21 ; 108.91,43.31 108.89,43.34 D96.4 ; 108.91,43.31 108.31,43.31 ; D89.4 v1(111.51,66.91) ; 111.51,65.21 111.51,64.51 111.31,64.31 108.01,64.31 106.51,62.81 v1(106.51,48.21) 106.51,45.11 108.31,43.31
  Bottom w0.3: v1(137.61,26.41) 109.91,26.41 v1(107.16,23.66) ; v1(68.86,36.26) 68.86,43.86 v1(73.01,48.01) 74.21,49.21 87.41,49.21 88.41,48.21 v1(106.51,48.21) ; v1(42.91,58.51) 41.21,60.21 7.01,60.21 3.81,57.01 v1(3.81,54.41) ; v1(111.51,66.91) 117.41,72.81 123.01,72.81 v1(123.31,73.11)
Net-(D106-A): length 228.9
  Top w0.3: D127.4 127.03,67.63 v1(127.61,68.21) ; 77.71,45.91 77.71,65.31 80.71,68.31 80.71,68.71 v1(81.01,69.01) ; v1(81.11,91.01) 81.11,90.11 D113.4 ; D99.4 58.61,90.11 v1(58.61,91.01) ; D92.4 v1(47.59,91.01) ; D106.4 69.61,90.11 v1(69.61,91.01) ; v1(103.61,88.51) 103.61,90.11 ; Q1.3 69.1,22.1 v1(69.11,22.11) ; D78.4 24.61,90.11 v1(24.61,91.01) ; v1(36.11,91.01) 36.11,90.11 D85.4 ; v1(103.61,91.01) 103.61,90.01 ; v1(13.59,89.11) D71.4
  Bottom w0.3: v1(127.61,68.21) 127.61,85.51 124.01,89.11 123.81,88.91 104.01,88.91 v1(103.61,88.51) ; 89.71,91.01 89.71,87.04 85.53,82.86 85.53,70.13 84.41,69.01 v1(81.01,69.01) ; 89.71,91.01 v1(81.11,91.01) v1(69.61,91.01) v1(58.61,91.01) v1(36.11,91.01) v1(24.61,91.01) 15.49,91.01 v1(13.59,89.11) ; 89.71,91.01 v1(103.61,91.01) ; v1(69.11,22.11) 68.36,22.86 68.36,30.66 70.06,32.36 70.06,43.21 71.51,44.66 76.56,44.66 v1(77.81,45.91)
Net-(D106-BK): length 139.6
  Top w0.15: v1(91.01,68.71) 91.01,70.11 89.71,71.41 89.71,80.51 84.01,86.21 79.81,86.21 74.51,91.51 71.41,91.51 70.59,90.69 D106.3 ; D110.3 109.89,20.59 109.61,20.31 107.01,20.31 104.71,22.61 101.81,22.61 100.91,21.71 100.91,21.01 ; U7.8 68.35,13.1 69.86,14.61 69.86,17.89 72.38,20.41 82.21,20.41 82.49,20.69 82.49,20.96 ; 82.51,21.01 82.51,21.71 83.41,22.61 87.51,22.61 ; 100.89,20.76 100.89,20.49 100.61,20.21 98.01,20.21 95.71,22.51 92.51,22.51 91.49,21.49 D108.3 91.49,20.59 91.21,20.31 89.81,20.31 87.51,22.61 ; 87.51,22.61 89.06,24.16 89.06,62.26 v1(90.41,63.61)
  Bottom w0.15: v1(90.41,63.61) 91.01,64.21 v1(91.01,68.71)
Net-(D106-GK): length 140.7
  Top w0.15: D106.2 71.44,90.64 71.96,91.16 74.37,91.16 79.72,85.81 83.92,85.81 89.36,80.37 89.36,71.26 90.51,70.11 90.51,68.95 90.31,68.75 v1(90.31,68.71) ; 101.71,20.81 101.71,20.11 101.46,19.86 97.86,19.86 95.56,22.16 93.06,22.16 92.34,21.44 92.34,20.86 ; U7.7 68.34,12.6 70.21,14.47 70.21,17.75 72.53,20.06 83.06,20.06 83.31,20.31 83.31,21.01 ; 101.74,20.99 101.74,21.59 102.41,22.26 104.56,22.26 106.86,19.96 110.46,19.96 110.71,20.21 110.71,20.91 ; 92.31,20.91 92.31,20.21 92.06,19.96 88.76,19.96 86.46,22.26 84.01,22.26 83.34,21.59 83.34,20.99 ; v1(87.05,23.14) 88.71,24.79 88.71,62.65 v1(89.64,63.58)
  Bottom w0.15: v1(89.64,63.58) 90.31,64.25 v1(90.31,68.71) ; v1(86.84,21.91) 87.05,22.13 v1(87.05,23.14)
Net-(D106-RK): length 142.9
  Top w0.15: v1(89.61,68.71) 89.61,68.75 89.81,68.95 89.81,70.21 89.01,71.01 89.01,80.22 83.77,85.46 79.57,85.46 74.22,90.81 72.51,90.81 72.44,90.74 D106.1 ; 84.34,21.21 84.34,21.74 84.51,21.91 85.31,21.91 v1(85.81,21.41) 87.61,19.61 92.81,19.61 93.41,20.21 93.41,21.11 ; v1(88.86,63.55) 88.36,63.05 88.36,25.19 v1(86.31,23.14) ; U7.6 66.81,11.41 66.91,11.31 67.55,11.31 70.56,14.32 70.56,17.6 72.67,19.71 83.81,19.71 84.41,20.31 84.41,21.21 ; 102.81,21.01 102.81,20.11 102.21,19.51 97.72,19.51 95.42,21.81 93.51,21.81 93.34,21.64 93.34,21.08 ; 111.81,21.11 111.81,20.21 111.21,19.61 106.72,19.61 104.42,21.91 102.91,21.91 102.74,21.74 102.74,21.21
  Bottom w0.15: v1(89.61,68.71) 89.61,64.3 v1(88.86,63.55) ; v1(86.31,23.14) 86.31,21.91 v1(85.81,21.41)
Net-(D113-BK): length 178.4
  Top w0.15: 122.41,74.11 122.41,74.71 119.81,77.31 113.41,77.31 99.21,91.51 94.4,91.51 93.58,90.69 93.58,89.86 ; D114.3 93.59,89.19 93.11,88.71 88.8,88.71 86,91.51 82.9,91.51 82.08,90.69 82.08,89.86 ; U7.11 68.14,14.6 68.81,15.27 68.81,18.33 77.64,27.15 77.64,43.19 v1(78.81,44.36)
  Top w0.2: 122.34,74.16 122.34,73.87 116.41,67.94 116.41,45.55 116.95,45.01 118.41,45.01 119.31,45.91 123.34,45.91 127.14,42.11 131.11,42.11 131.71,42.71 131.71,44.1 D116.3
  Bottom w0.15: v1(78.81,44.36) 84.07,44.36 87.04,41.39 113.32,41.39 v1(116.95,45.02)
Net-(D113-GK): length 179
  Top w0.15: 82.93,89.86 82.93,90.64 83.45,91.16 85.86,91.16 88.66,88.36 93.36,88.36 94.41,89.41 94.41,89.91 ; 121.51,74.21 121.51,75.12 119.72,76.91 113.32,76.91 99.07,91.16 94.95,91.16 94.43,90.64 94.43,89.86 ; 67.46,14.06 67.51,14.11 68.21,14.11 69.16,15.06 69.16,18.18 77.99,27.01 77.99,42.84 78.96,43.81 v1(79.24,43.81)
  Top w0.2: 119.61,45.01 120.01,45.41 123.28,45.41 126.98,41.71 132.11,41.71 132.51,42.11 132.51,44.4 D116.2 ; 117.46,44.41 117.41,44.46 116.73,44.46 116.01,45.18 116.01,68.11 121.51,73.61 121.51,74.11 ; 117.46,44.41 119.01,44.41 D115.2 ; 117.46,44.41 117.42,44.41 v1(117.37,44.46)
  Bottom w0.15: v1(79.24,43.81) 79.44,44.01 83.91,44.01 86.89,41.04 113.46,41.04 116.89,44.46 v1(117.37,44.46)
